# KiCad board processor.Z80.kicad_pcb (continued)
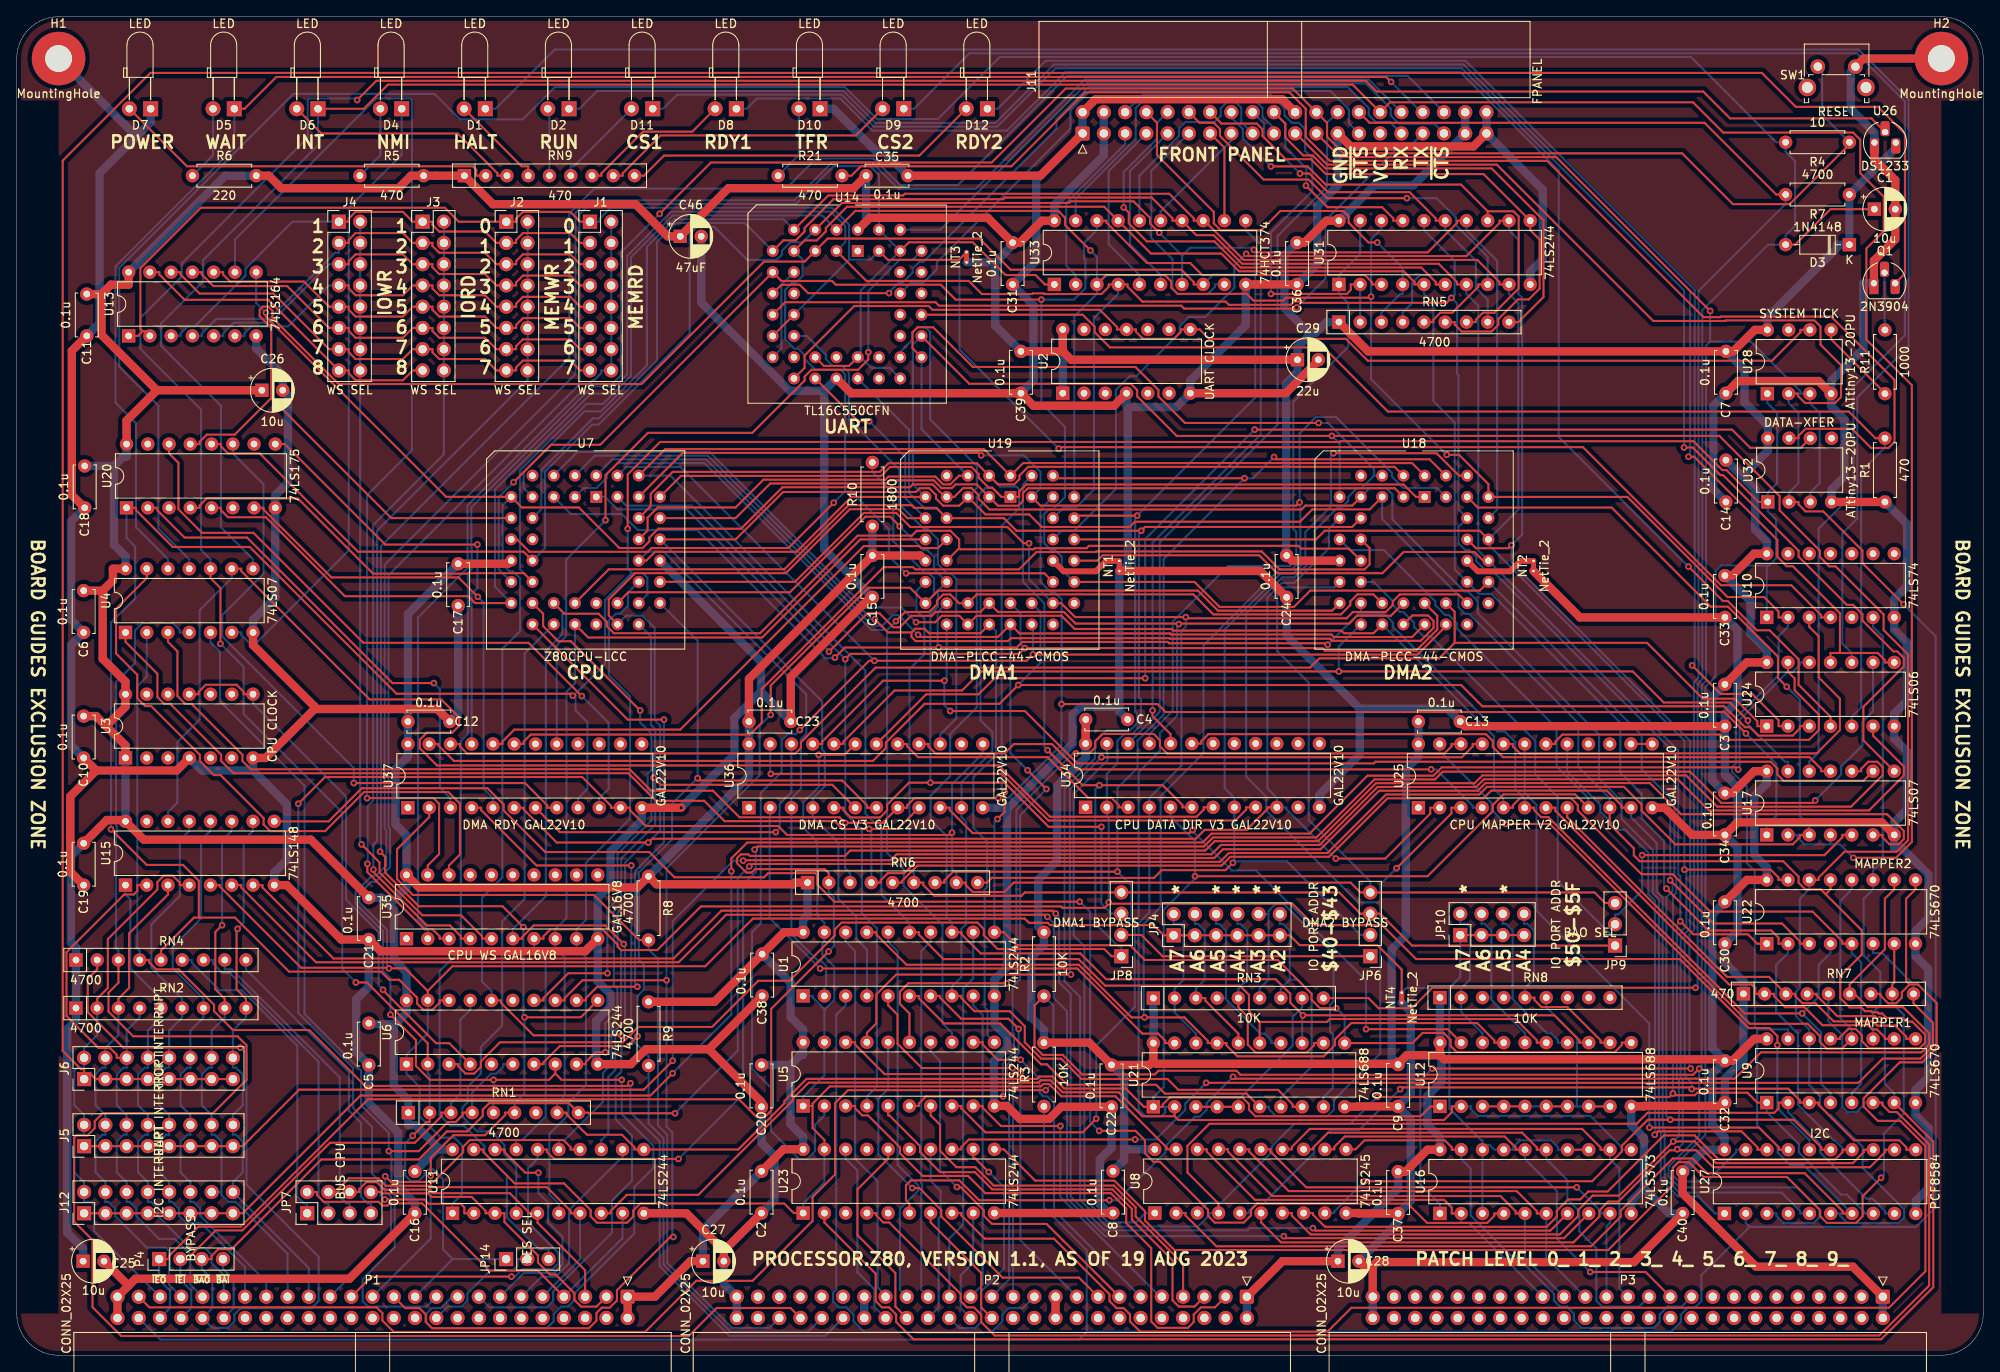
[diagram p0: board, top side]
## Routing (per net, layer and track width the routed paths; a pad name or vN(x,y) marks a point on that pad's centre or on a via; arc(x,y) is an arc through that point) (continued)
CPU-A5: length 242.3
  Top w0.25: U7.39 79.37,105.11 103.29,105.11 104.36,106.18 104.81,106.18 114.1,106.18 114.94,105.34 114.94,104.91 116.14,103.71 116.57,103.71 117.68,102.6 U19.1 119.79,102.6 119.79,103.25 120.63,104.09 165.73,104.09 167.21,102.6 U18.1 ; U1.13 112.88,50.57 112.88,50.35 115.2,48.03 127.1,48.03 130.18,44.95 150.44,44.95 152.19,43.2 152.19,42.16 v1(153.7,40.64) 183.74,40.64 186.73,37.65 186.73,37.37 U12.13
  Bottom w0.25: U21.13 153.6,40.54 v1(153.7,40.64) ; U1.13 111.75,51.7 111.13,52.32 111.13,62.08 109.2,64.01 109.2,66.88 111.54,69.22 111.54,74.25 114.72,77.42 114.72,102.61 115.75,103.64 116.67,103.64 117.71,102.6 U19.1
CPU-A6: length 253.8
  Top w0.25: 148.53,39.85 147.25,41.12 147.25,43.08 146.16,44.18 130.06,44.18 126.88,47.36 110.73,47.36 107.8,50.29 107.8,50.57 106.68,50.57 ; 148.53,39.85 156.57,39.85 156.91,40.19 179.11,40.19 181.65,37.65 181.65,37.37 182.78,37.37 ; 148.53,39.85 U21.15 ; U7.40 77.5,108.32 115.57,108.32 U19.44 120.26,106.65 166.74,106.65 U18.44
  Bottom w0.25: 106.68,50.57 106.68,51.7 103.33,55.04 103.33,62.81 101.42,64.72 101.42,81.83 78.1,105.15 U7.40
CPU-A7: length 274.1
  Top w0.25: U19.43 122.33,101.56 152.92,101.56 v1(153.3,101.95) ; v1(115.25,107.57) 114.96,107.87 79.59,107.87 U7.41 ; U1.17 102.72,50.57 102.72,50.29 106.33,46.68 126.92,46.68 133.21,40.39 v1(134.78,40.39) 139.54,40.39 142.32,37.6 142.32,37.32 U21.17 144.57,37.32 144.57,37.04 145.87,35.73 156.18,35.73 157.53,37.08 157.53,37.76 159.47,39.71 174.52,39.71 176.57,37.65 176.57,37.37 U12.17
  Bottom w0.25: U19.43 122.34,103.65 122.34,105.57 120.35,107.57 v1(115.25,107.57) ; v1(134.78,40.39) 134.67,40.49 134.67,51.56 136.69,53.58 136.69,66.84 141.82,71.97 141.82,84.87 150.84,93.89 152.31,93.89 153.4,94.98 153.4,101.85 v1(153.3,101.95) 153.3,110.2 155.27,112.17 157.64,112.17 164.33,105.47 164.33,105.04 165.7,103.67 169.72,103.67 U18.43
CPU-A8: length 191.6
  Top w0.25: v1(93.58,74.74) 101.85,83.01 v1(102.49,83.01) 120.68,83.01 v1(121.43,83.77) 121.45,83.76 167.39,83.76 170.79,87.15 U18.26
  Bottom w0.25: v1(121.43,83.77) 121.43,87.22 U19.26 ; v1(93.58,74.74) 93.09,74.26 92.13,74.26 91.4,73.52 91.4,69.7 88.91,67.21 88.91,51.64 87.87,50.6 87.87,34.23 90.13,31.97 90.13,26.83 93.49,23.46 94.45,23.46 95.39,24.4 95.39,27.55 96.51,28.67 U5.2 ; v1(102.49,83.01) 79.31,106.19 72.83,106.19 U7.42
CPU-A9: length 173
  Top w0.25: v1(99,83.2) 99.64,83.84 119.77,83.84 v1(120.46,84.53) 156.03,84.53 156.35,84.21 167.21,84.21 169.75,86.75 169.75,88.4 U18.25
  Bottom w0.25: U5.4 101.59,30.93 102.78,32.11 102.78,51.05 100.99,52.84 100.99,62.78 99,64.77 v1(99,83.2) 80.65,101.56 72.84,101.56 U7.43 ; U19.25 119.95,88.7 119.95,85.04 v1(120.46,84.53)
CPU-A10: length 183.8
  Top w0.25: v1(107.71,86.12) 107.97,85.86 117.25,85.86 U19.24 119.83,86.28 137.82,86.28 137.94,86.16 157.09,86.16 157.39,85.85 166.74,85.85 U18.24 ; 106.68,29.8 107.8,29.8 107.8,30.08 108.67,30.95 v1(117.87,30.95) ; v1(123.04,67.69) v1(120.79,69.93)
  Bottom w0.25: v1(117.87,30.95) 117.84,30.98 117.84,34.87 119.16,36.2 119.16,38.4 119,38.56 119,44.06 119.91,44.97 119.91,64.56 v1(123.04,67.69) ; v1(107.71,86.12) 105.79,88.04 105.79,88.05 105.36,88.48 104.7,88.48 103.44,87.21 102.26,87.21 82.38,107.09 71.19,107.09 U7.44 ; v1(120.79,69.93) 118.75,71.98 U19.24
CPU-A11: length 192.6
  Top w0.25: U5.8 112.88,29.8 112.88,29.52 115.75,26.65 127.37,26.65 v1(129,28.28) ; 138.87,87.46 v1(138.87,87.4) ; 138.87,87.46 126.53,87.46 125.15,88.85 117.26,88.85 U19.23 115.17,88.86 109.81,88.86 109.35,88.4 106.89,88.4 105.52,87.03 104.76,87.03 103.09,88.7 101.66,88.7 v1(97.07,84.11) ; 138.87,87.46 159.23,87.46 160.16,88.4 164.21,88.4 U18.23
  Bottom w0.25: v1(97.07,84.11) 80.07,101.11 71.79,101.11 70.29,102.61 U7.1 ; v1(129,28.28) 129,37.02 133.61,41.62 133.61,52.02 134.07,52.49 134.07,69.72 136.62,72.26 136.62,74.39 138.67,76.44 138.67,87.2 v1(138.87,87.4)
CPU-A12: length 182
  Top w0.25: v1(102.54,87.98) 104.12,86.4 106.92,86.4 ; U18.22 166.78,88.43 168.65,88.43 169.3,87.77 169.3,86.94 167.76,85.4 157.21,85.4 156.95,85.66 137.81,85.66 137.75,85.72 118.81,85.72 118.45,85.37 107.42,85.37 106.92,85.87 106.92,86.4 ; 106.92,86.4 107.37,86.85 108.48,86.85 109.01,86.31 115.16,86.31 U19.22
  Bottom w0.25: U19.22 117.03,86.54 117.03,71.78 114.31,69.05 114.31,63.05 115.96,61.4 115.96,55.94 115.66,55.64 115.66,41.59 116.01,41.24 116.01,38.25 116.84,37.42 ; U7.2 69.1,107.54 82.6,107.54 102.16,87.98 v1(102.54,87.98)
CPU-A13: length 164.7
  Top w0.25: U18.21 162.12,90.95 160.21,90.95 159.36,90.1 159.36,89.67 158.24,88.55 143,88.55 140.6,90.95 114.72,90.95 U19.21 112.6,89.9 111.56,90.94 110.7,90.94 109.97,90.21 109.97,89.77 109.05,88.85 106.16,88.85 v1(105.06,87.75)
  Bottom w0.25: 104.01,86.7 102.13,86.7 82.2,106.64 71.79,106.64 70.52,105.36 70.52,104.9 69.28,103.66 67.76,103.66 U7.3 ; 104.01,86.7 104.01,60.06 106,58.07 106,56.09 110.63,51.47 110.63,39.67 111.75,38.55 U5.13 ; 104.01,86.7 v1(105.06,87.75)
CPU-A14: length 209
  Top w0.25: U25.5 178.79,65.45 178.79,65.73 179.65,66.6 185.73,66.6 186.55,65.77 186.55,65.12 194.16,57.5 197.89,57.5 202.36,53.03 214.61,53.03 218.16,49.48 218.16,49.2 U22.5 ; U18.20 162.11,86.3 158.61,86.3 158.28,86.62 138.19,86.62 138,86.81 126.42,86.81 124.84,88.4 114.71,88.4 U19.20 112.63,88.4 110.54,88.4 109.77,87.62 v1(107.46,87.62)
  Bottom w0.25: U9.5 219.28,31.33 220.41,32.45 220.41,46.95 219.28,48.07 U22.5 ; U7.4 67.01,107.99 82.78,107.99 101.39,89.38 105.71,89.38 v1(107.46,87.62) ; U25.5 177.66,66.58 176.53,67.7 176.53,74 U18.20
CPU-A15: length 212.7
  Top w0.25: v1(97.77,83.4) 98.98,84.6 v1(110.17,84.6) 119.51,84.6 120.17,85.27 137.56,85.27 137.72,85.11 156.47,85.11 v1(156.65,84.93) ; v1(213.36,40.86) 206.49,40.86 183.03,64.32 182.17,64.32 181.33,65.17 181.33,65.45 U25.6
  Bottom w0.25: v1(110.17,84.6) 110.04,84.73 110.04,88.81 U19.19 ; U25.6 180.2,66.58 179.07,67.7 179.07,73.3 177.8,74.58 176.95,74.58 164.44,87.09 164.44,87.61 163.42,88.63 160.63,88.63 ; U9.4 216.75,31.33 215.62,32.45 215.62,38.6 v1(213.36,40.86) 215.33,42.84 215.33,46.66 216.75,48.07 U22.4 ; 160.63,88.63 160.35,88.63 v1(156.65,84.93) ; 160.63,88.63 U18.19 ; v1(97.77,83.4) 97.7,83.32 96.65,83.32 81.33,98.64 74.21,98.64 72.3,100.55 66.23,100.55 U7.5
CPU-D0: length 477.3
  Top w0.25: v1(128.3,132.07) 125.27,135.1 125.27,135.98 124.46,136.79 100.21,136.79 U14.2 ; U7.16 60.59,93.49 53.99,93.49 53.94,93.43 42.58,93.43 33.59,102.43 22.71,102.43 21.87,101.58 21.87,101.3 U20.4 ; v1(170.88,107.63) 172.36,107.63 175.87,104.12 U18.39 192.47,102.6 204.44,90.63 208.81,90.63 210.54,88.9 210.54,88.2 U10.2 ; U33.3 130.21,129.13 137.19,129.13 137.97,128.35 137.97,127.61 138.71,126.87 147,126.87 147.81,126.07 151.33,126.07 151.68,126.42 161.72,126.42 v1(161.84,126.54) ; U27.7 218.19,16.95 218.19,17.23 213.66,21.76 202,21.76 200.23,23.53 197.91,23.53 191.66,17.28 191.66,16.55 188.14,13.03 143.35,13.03 139.67,16.72 139.67,17 U8.2
  Bottom w0.25: v1(170.88,107.63) 161.84,116.68 v1(161.84,126.54) 161.84,133.4 162.94,134.49 163.08,134.49 U31.18 ; v1(128.3,132.07) 129.08,131.29 U33.3 129.08,126.87 126.37,124.16 U19.39 ; 207.98,38.95 211.66,38.95 U9.15 ; 207.98,38.95 207.98,27.45 210.43,25 210.43,24.24 211.91,22.75 213.51,22.75 U27.7 ; 207.98,38.95 207.69,39.23 207.69,57.89 206.75,58.83 206.75,67.95 204.99,69.71 204.99,70.31 205.44,70.76 205.44,76.21 210.54,81.31 210.54,85.95 211.66,87.07 U10.2 ; U7.16 60.13,93.95 60.13,105.77 68.09,113.73 70.06,113.73 73.4,117.08 73.4,131.25 78.4,136.25 96.25,136.25 U14.2
CPU-D1: length 446.6
  Top w0.25: U7.17 54.78,89.91 53.96,90.74 39.21,90.74 29.77,100.17 25.25,100.17 24.41,101.02 24.41,101.3 U20.5 ; U14.3 101.54,128.42 113.76,128.42 115.33,126.85 121.33,126.85 121.41,126.93 122.71,126.93 122.8,126.85 129.63,126.85 130.49,127.72 130.49,128 U33.4 132.75,128 132.75,127.72 134.52,125.95 144.46,125.95 144.85,125.56 152.24,125.56 152.65,125.97 153.25,125.97 153.42,125.8 170.85,125.8 v1(171.45,126.4) ; v1(162.59,30.89) 197.51,30.89 v1(197.91,31.29) 198.12,31.09 200.54,31.09 200.84,31.39 206.81,31.39 208,30.2 U9.1
  Bottom w0.25: v1(162.59,30.89) 159.36,27.66 152.68,27.66 149.97,24.95 149.97,24.27 143.93,18.23 142.31,18.23 U8.3 ; U19.38 125.1,101.33 126.57,101.33 128.73,103.49 128.73,123.98 131.62,126.87 U33.4 ; v1(197.91,31.29) 197.91,54.89 198.31,55.29 198.31,57.08 198.1,57.3 198.1,72.01 176.4,93.71 175.63,93.71 174.43,94.91 174.43,95.39 173.56,96.25 173.09,96.25 172.29,97.04 172.29,99.02 U18.38 172.29,101.1 172.29,117.17 172.11,117.35 172.11,125.73 v1(171.45,126.4) 171.83,126.78 171.83,130.83 168.16,134.49 U31.16 ; U9.1 209.12,29.07 212.97,25.23 212.97,24.24 218,19.21 218.7,19.21 220.73,17.17 220.73,16.95 U27.8 ; U14.3 99.01,133.05 99.01,134.96 97.27,136.7 78.22,136.7 72.95,131.43 72.95,117.26 70.62,114.93 68.61,114.93 57.15,103.47 57.15,91.85 U7.17
CPU-D2: length 491.4
  Top w0.25: U14.4 98.62,137.74 125.73,137.74 125.93,137.94 133.45,137.94 135.43,135.95 135.43,135.28 v1(136.52,134.19) ; U31.14 172.11,135.62 172.11,135.34 168.61,131.84 148.15,131.84 v1(147.84,132.14) ; U20.12 24.41,108.92 24.41,108.64 25.25,107.79 29.04,107.79 40.78,96.06 60.56,96.06 U7.14 ; U8.4 143.62,18.13 139.9,21.85 139.9,25.04 142.53,27.67 193.57,27.67 194.87,28.98 210.02,28.98 210.54,29.5 210.54,30.2 U9.2 ; U19.37 126.67,100.36 v1(133.89,100.36)
  Bottom w0.25: U18.37 176.91,101.1 176.91,130.83 173.24,134.49 U31.14 ; U27.9 223.27,16.95 223.27,17.22 221.77,18.71 221.03,18.71 215.5,24.24 215.5,25.23 211.66,29.07 U9.2 ; 139.27,131.44 139.27,129.16 139.24,129.13 U33.7 ; 139.27,131.44 v1(136.52,134.19) ; 139.27,131.44 140.22,132.39 147.6,132.39 v1(147.84,132.14) 148,131.99 148,114.47 v1(133.89,100.36) 133.65,100.12 133.65,76.9 133.88,76.67 133.88,75.53 133.04,74.7 130.25,74.7 128.85,73.3 128.85,71.35 125.21,67.71 125.21,44.68 127.08,42.81 127.08,18.56 130.25,15.39 141.17,15.39 142.49,16.72 142.49,17 U8.4 ; U14.4 93.92,133.04 92.44,133.04 91.44,132.04 91.44,131.58 90.8,130.94 87.29,130.94 83.34,134.89 81.32,134.89 80.42,133.99 80.42,122.14 69.53,111.24 68.77,111.24 63.13,105.61 63.13,96.49 U7.14
CPU-D3: length 480.2
  Top w0.25: 30.42,114.41 26.05,110.05 22.71,110.05 21.87,109.2 21.87,108.92 U20.13 ; 30.42,114.41 30.42,122.82 29.03,124.21 29.03,124.97 29.41,125.35 30.07,125.35 30.56,124.86 30.56,124 38.47,116.09 74.66,116.09 89.3,130.73 94.15,130.73 U14.5 96.91,133.49 115.04,133.49 118.76,129.76 139.17,129.76 140.65,128.28 140.65,128 U33.8 ; 30.42,114.41 44.76,100.07 U7.9 ; v1(178.63,96.83) 178.27,96.47 174.38,96.47 U18.36 ; U31.12 177.19,135.62 177.19,135.34 173.24,131.39 147.19,131.39 v1(146.91,131.66) ; 200.17,31.86 v1(200.17,31.81) ; 200.17,31.86 211.7,31.86 213.08,30.48 213.08,30.2 U9.3 215.33,30.2 215.33,29.92 219.55,25.7 224.97,25.7 225.81,24.85 225.81,24.57 U27.11 ; 200.17,31.86 200.01,32.02 165.52,32.02 v1(165.32,31.81)
  Bottom w0.25: U8.5 147.29,17 147.29,17.28 148.13,18.13 148.95,18.13 155.05,24.22 155.05,24.95 157.05,26.95 160.46,26.95 v1(165.32,31.81) ; v1(200.17,31.81) 200.17,32.56 199.31,33.41 199.31,50.37 199.97,51.02 199.97,57.71 200.01,57.75 200.01,58.35 199.98,58.38 199.98,73.42 178.63,94.77 v1(178.63,96.83) 179.9,98.1 179.9,126.43 179.45,126.88 179.45,133.37 178.32,134.49 U31.12 ; 145.5,129.17 145.5,127.59 142.03,124.12 140.08,124.12 138.97,123.01 138.97,122.21 133.82,117.06 133.03,117.06 131.35,115.38 131.35,103.55 126.37,98.56 124.87,98.56 U19.36 ; 145.5,129.17 145.5,130.24 v1(146.91,131.66) ; 145.5,129.17 142.95,129.17 U33.8
CPU-D4: length 413.1
  Top w0.25: U8.6 148.7,15.87 151.08,13.5 186.03,13.5 189.12,16.59 189.12,17.31 190.19,18.37 191.4,18.37 197.53,24.5 198.43,24.5 ; U19.35 155.27,97.52 156.31,98.56 174.83,98.56 U18.35 ; 198.43,24.5 v1(198.43,24.63) ; 198.43,24.5 200.7,24.5 202.72,22.48 221.46,22.48 223.27,24.29 223.27,24.57 U27.12 ; U31.9 177.19,128 177.19,128.28 174.54,130.93 146.61,130.93 141.93,135.62 U33.13 140.65,135.62 140.65,135.9 137.72,138.84 106.13,138.84 105.92,138.64 96.98,138.64 U14.6 ; v1(199.28,58.05) 209.59,58.05 210.54,57.1 210.54,56.82 U22.15
  Bottom w0.25: U14.6 91.62,135.8 78.59,135.8 75.3,132.5 75.3,118.33 69.8,112.83 67.83,112.83 60.58,105.58 60.58,103.66 U7.8 ; U31.9 178.32,126.87 179.45,125.75 179.45,101.1 U18.35 175.87,96.89 199.28,73.48 v1(199.28,58.05) 199.52,57.81 199.52,51.32 198.83,50.63 198.83,33.25 199.09,33 199.09,25.29 v1(198.43,24.63)
CPU-D5: length 402.1
  Top w0.25: U27.13 220.73,24.57 220.73,24.29 219.41,22.97 203.09,22.97 200.5,25.56 v1(197.94,25.56) 191.47,19.09 188.32,19.09 186.59,17.35 186.59,16.63 184.4,14.45 154.62,14.45 152.37,16.7 152.37,17 U8.7 ; U14.7 91.61,133.27 93.09,133.27 94.15,134.33 94.15,134.75 97.59,138.19 117.89,138.19 118.09,138.39 135.63,138.39 138.11,135.9 138.11,135.62 U33.14 140.97,133.89 143.02,133.89 146.44,130.48 169.92,130.48 172.11,128.28 172.11,128 U31.7 ; U22.1 208,49.2 206.87,50.33 200.35,50.33 v1(198.8,51.88) ; U18.33 175.23,94.98 174.19,96.02 165.73,96.02 163.2,93.48 150.61,93.48 148.47,95.63 129.78,95.63 129.13,94.98 U19.33
  Bottom w0.25: v1(197.94,25.56) 198.64,26.25 198.64,32.81 198.38,33.07 198.38,51.46 v1(198.8,51.88) 198.8,57.23 198.55,57.48 198.55,72.3 U18.33 174.65,96.2 174.65,125.46 173.24,126.87 U31.7 ; U14.7 87,135.34 78.77,135.34 76.5,133.07 76.5,118.9 69.6,112 68.86,112 62.68,105.82 62.68,101.12 U7.10
CPU-D6: length 397.3
  Top w0.25: U19.32 122.79,93.48 v1(106.27,93.48) ; U31.5 167.03,128 167.03,128.28 165.74,129.58 146.06,129.58 143.94,131.69 135.55,131.69 U33.17 129.95,137.29 99.22,137.29 96.69,134.76 96.69,134.34 95.62,133.27 94.15,133.27 U14.8 ; U8.8 154.91,17 154.91,16.79 156.34,15.35 182.83,15.35 184.04,16.57 184.04,17.28 185.4,18.63 186.84,18.63 187.79,19.57 190.12,19.57 196.83,26.29 200.5,26.29 203.37,23.42 217.32,23.42 218.19,24.29 218.19,24.57 U27.14 ; v1(197.14,55.78) 202.14,50.78 209.67,50.78 210.54,49.9 210.54,49.2 U22.2 ; U7.11 59.78,97.53 61.27,96.04 75.42,96.04 75.87,96.49 92.21,96.49 v1(97.63,101.91)
  Bottom w0.25: U27.14 218.19,24.57 218.19,24.76 217.25,25.7 217.12,25.7 212.85,29.96 212.85,38.44 210.25,41.04 210.25,46.66 211.66,48.07 U22.2 ; v1(97.63,101.91) 98.98,103.27 99,103.27 ; 99,103.27 99.68,103.27 104.22,98.73 104.22,95.53 v1(106.27,93.48) ; 99,103.27 99,117.23 98.42,117.81 95.43,117.81 94.15,119.09 94.15,119.56 93.37,120.34 92.9,120.34 91.83,121.41 91.83,127.35 92.67,128.19 93.09,128.19 93.92,129.02 93.92,130.96 U14.8 ; v1(197.14,55.78) 196.86,56.05 196.86,61.49 194.17,64.18 194.17,67.12 191.63,69.66 191.63,75.61 176.23,91.01 174.76,91.01 U18.32 171.84,93.93 171.84,111.49 169.29,114.05 169.29,125.75 168.16,126.87 U31.5
CPU-D7: length 391.1
  Top w0.25: v1(122.44,126.18) 112.2,126.18 110.41,127.97 97.88,127.97 97.43,128.41 91.39,128.41 U14.9 69.71,108.83 63.85,108.83 v1(59.37,104.36) ; 216.78,24.57 215.65,24.57 215.65,24.85 212.35,28.16 v1(197.6,28.16) 194.92,28.16 191.81,25.04 191.81,24.35 188.26,20.8 v1(161.06,20.8) ; U22.3 213.08,49.2 213.08,49.48 210.95,51.61 202.75,51.61 v1(197.59,56.78) ; U18.31 174.83,91.4 154.57,91.4 152.62,89.46 143.73,89.46 140.75,92.44 U19.31 ; U33.18 130.21,135.62 130.21,135.42 135.06,130.56 140.23,130.56 141.67,129.13 161.11,129.13 161.95,128.28 161.95,128 U31.3
  Bottom w0.25: U8.9 157.45,17 157.45,17.19 v1(161.06,20.8) ; U19.31 124.87,93.94 124.87,95.46 124.08,96.25 123.6,96.25 122.79,97.06 122.79,100.55 123.33,101.1 123.79,101.1 125.26,102.57 125.26,110.97 122.44,113.8 v1(122.44,126.18) 126.34,126.18 127.7,127.55 127.7,130.93 127.55,131.08 127.55,132.96 129.08,134.49 U33.18 ; v1(197.6,28.16) 197.13,28.63 197.13,54.75 197.86,55.48 197.86,56.5 v1(197.59,56.78) 197.59,66.63 194.17,70.05 194.17,74.14 U18.31 ; U7.15 57.6,93.94 57.6,102.59 v1(59.37,104.36)
D0: length 49.8
  Top w0.25: 172.62,16.95 171.49,16.95 171.49,17.65 170.57,18.58 147.97,18.58 142.21,24.34 142.21,24.62 U8.18
  Bottom w0.25: 172.62,16.95 172.62,15.82 173.54,15.82 P3.33
D1: length 52
  Top w0.25: 180.24,16.95 179.11,16.95 179.11,17.23 177.31,19.03 150.06,19.03 144.75,24.34 144.75,24.62 U8.17
  Bottom w0.25: 180.24,16.95 180.24,11.66 P3.31
D2: length 52
  Top w0.25: U8.16 147.29,24.62 147.29,24.34 152,19.62 179.26,19.62 181.65,17.23 181.65,16.95 182.78,16.95
  Bottom w0.25: 182.78,16.95 182.78,11.66 P3.29
D3: length 55.3
  Top w0.25: U8.15 149.83,24.62 149.83,24.34 154.09,20.07 v1(186.43,20.07)
  Bottom w0.25: v1(186.43,20.07) 189.27,17.23 189.27,16.95 190.4,16.95 190.4,15.82 189.98,15.41 P3.27
D4: length 60
  Top w0.25: U8.14 152.37,24.62 152.37,24.9 154.52,27.05 187.07,27.05 189.27,24.85 189.27,24.57 190.4,24.57
  Bottom w0.25: 190.4,24.57 190.4,23.44 191.52,22.32 191.52,8 P3.25
D5: length 58.5
  Top w0.25: U8.13 154.91,24.62 154.91,24.81 156.7,26.6 179.9,26.6 181.65,24.85 181.65,24.57 182.78,24.57
  Bottom w0.25: P3.23 193.88,5.82 189.45,5.82 188.77,6.51 188.77,12.77 186.73,14.8 186.73,17.23 185.31,18.64 185.31,20.91 182.78,23.44 182.78,24.57
D6: length 54.2
  Top w0.25: 180.24,24.57 179.11,24.57 179.11,24.85 177.81,26.15 158.69,26.15 157.45,24.9 157.45,24.62 U8.12 ; P3.21 194.65,9.95 v1(188.03,9.95)
  Bottom w0.25: 180.24,24.57 180.24,23.44 184.04,19.63 184.04,13.93 v1(188.03,9.95)
D7: length 58.1
  Top w0.25: U8.11 159.99,24.62 161.06,25.7 170.65,25.7 171.49,24.85 171.49,24.57 172.62,24.57
  Bottom w0.25: 172.62,24.57 172.62,23.44 173.74,22.32 173.74,16.73 178.63,11.84 179.19,11.84 183.72,7.31 183.72,6.51 184.41,5.82 185.24,5.82 186.08,4.99 186.08,4.16 186.97,3.26 195.61,3.26 196.33,3.98 196.33,4.88 197.27,5.82 198.96,5.82 P3.19
DATA-DIR: length 66.7
  Bottom w0.25: U34.23 130.26,71.99 130.35,71.91 130.35,71.13 126.3,67.08 126.3,50.17 127.59,48.88 127.59,18.71 130.42,15.87 133.75,15.87 134.87,17 U8.1
DATA-XFER: length 138.3
  Top w0.25: v1(147.93,110.65) 204.98,110.65 207.15,108.48 213.19,108.48 U32.6 ; v1(134.85,80.93) 116.85,80.93 114.93,79.01 108.68,79.01 U36.18
  Bottom w0.25: v1(147.93,110.65) 134.85,97.56 v1(134.85,80.93)
DMA-RDY1: length 184.5
  Top w0.25: U24.3 213.08,75.2 213.08,74.92 212.24,74.07 208.11,74.07 207.1,75.08 206.52,75.08 204.02,77.58 175.14,77.58 172.6,80.12 v1(119.68,80.12) 117.43,77.87 108.49,77.87 103.87,73.25 103.87,72.59 102.32,71.04 52.24,71.04 50.42,72.87 50.42,73.07 U37.23
  Bottom w0.25: v1(119.68,80.12) 122.34,82.78 122.34,88.85 U19.27
DMA-RDY2: length 173.4
  Top w0.25: U18.27 171.83,88.86 171.83,85.16 ; 171.83,85.16 194.83,85.16 201.5,78.48 205.3,78.48 208,75.78 208,75.2 U24.1 ; 171.83,85.16 169.98,83.31 155.68,83.31 154.56,82.19 102.63,82.19 93.71,73.26 93.71,72.6 93.05,71.94 53.8,71.94 52.96,72.79 52.96,73.07 U37.22
FP-LATCH-WR: length 69.5
  Top w0.25: U34.20 137.88,74.25 135.73,76.4 v1(135.73,77.07)
  Bottom w0.25: v1(135.73,77.07) 135.73,97.13 148.66,110.06 148.66,132.69 146.86,134.49 U33.11
I2C-SCL: length 447.1
  Top w0.25: J11.23 158.14,143.22 183.97,143.22 v1(202.36,124.83) ; R2.1 121.62,41.81 121.62,36.9 122.61,35.9 124.99,35.9 127.32,33.57 136,33.57 136.44,34.01 145.76,34.01 146.24,33.53 200.31,33.53 v1(201.05,34.27) ; P1.47 15.85,5.73 43.01,5.73 43.7,5.04 43.7,4.15 45.07,2.78 75.08,2.78 81.2,8.9 87.94,8.9 95.1,16.06 95.1,18.91 97.78,21.6 97.78,30.14 99.33,31.69 v1(122.97,31.69)
  Bottom w0.25: 202.36,121.18 207.21,121.18 213.15,115.23 213.15,114.95 U28.3 214.28,113.82 215.46,112.65 215.46,104.25 214.33,103.13 U32.3 ; 202.36,121.18 201.87,120.68 201.87,80.63 201.34,80.1 201.34,58.92 201.36,58.91 201.36,57.19 201.34,57.17 201.34,34.55 v1(201.05,34.27) 201.05,26.23 197.39,22.57 197.39,21.38 198.71,20.06 212.75,20.06 215.41,17.4 215.41,16.47 214.76,15.82 211.12,15.82 210.28,16.67 210.28,16.95 U27.3 ; 202.36,121.18 v1(202.36,124.83) ; R2.1 123.88,41.81 123.88,32.6 v1(122.97,31.69)
I2C-SDA: length 451.9
  Top w0.25: v1(225.48,89.77) 220.56,94.7 220.56,96.19 215.87,100.87 213.76,100.87 212.92,101.72 212.92,102 U32.2 ; U28.2 212.87,114.95 212.87,114.67 213.71,113.82 217.29,113.82 218,114.54 218,118.34 215.55,120.8 215.55,122.97 214.82,123.71 204.27,123.71 204.2,123.64 195.56,123.64 176.88,142.32 156.59,142.32 152.86,146.05 J11.21
  Bottom w0.25: 127.87,2.81 126.93,1.87 17.17,1.87 P1.48 ; 127.87,2.81 127.87,12.55 122.75,17.67 R3.1 ; 127.87,2.81 197.69,2.81 198.87,3.99 198.87,4.87 199.73,5.73 200.57,5.73 201.32,6.47 201.32,9.58 207.09,15.35 ; v1(225.48,89.77) 229.31,85.94 229.31,17.7 226.96,15.35 207.09,15.35 ; U28.2 211.74,113.82 212.92,112.65 212.92,104.25 211.79,103.13 U32.2 ; 207.09,15.35 206.62,15.82 206.62,16.95
IM2-S0: length 190.5
  Top w0.25: U15.9 37.27,63.82 41.23,67.78 56.25,67.78 58.18,65.85 58.18,65.13 63.15,60.15 75.59,60.15 78.61,57.13 89.3,57.13 89.79,57.63 95.46,57.63 95.63,57.46 95.63,56.3 97.71,54.21 v1(127.03,54.21) ; U16.4 176.57,16.95 176.57,16.67 175.73,15.82 168.53,15.82 166.23,18.13 148.23,18.13 147.5,17.4 147.5,16.73 146.63,15.86 143.16,15.86 142.35,16.68 142.35,17.4 136.62,23.13 135.84,23.13 134.82,24.15 134.82,25.7 133.69,26.83 v1(129.35,26.83)
  Bottom w0.25: v1(129.35,26.83) 128.27,27.91 128.27,52.97 v1(127.03,54.21)
IM2-S1: length 198.9
  Top w0.25: U15.7 29.36,56.2 29.36,55.92 37.85,47.43 78.5,47.43 84.21,53.15 123.83,53.15 v1(124.17,52.8) ; v1(154.9,15.2) 155.19,14.9 183.26,14.9 U16.7
  Bottom w0.25: v1(154.9,15.2) 147.34,15.2 147.09,14.94 129.98,14.94 125.94,18.98 125.94,43.2 124.56,44.58 124.56,52.41 v1(124.17,52.8)
IM2-S2: length 204.1
  Top w0.25: U16.8 184.9,14 151.65,14 v1(151.41,14.24) ; 25.7,56.2 26.82,56.2 26.82,55.92 35.76,46.98 79.1,46.98 84.77,52.66 122.92,52.66 v1(123.17,52.41)
  Bottom w0.25: v1(123.17,52.41) 123.93,51.65 123.93,42.71 125.49,41.14 125.49,18.79 130.05,14.24 v1(151.41,14.24)
INT: length 157.7
  Top w0.25: R1.2 222.12,109.62 218.94,112.8 163.86,112.8 156.18,120.47 130.63,120.47 128.81,122.3 128.81,122.95 127.38,124.38 U14.33
  Bottom w0.25: U24.5 219.28,76.33 220.41,77.45 220.41,105.66 223.25,108.49 R1.2
INT-I2C: length 43.6
  Top w0.25: U24.13 211.66,81.69 212.46,80.9 212.46,79.48 215.36,76.58 215.36,74.74 214.18,73.56 204.17,73.56 203.54,74.2 184.71,74.2 183.87,73.35 183.87,73.07 U25.18
IO-SEL: length 31
  Top w0.25: U34.3 131.68,65.5 131.68,65.78 130.84,66.63 128.05,66.63 123.18,71.49 107.7,71.49 106.41,72.79 106.41,73.07 U36.17
mA14: length 54
  Top w0.25: U9.10 223.24,37.82 223.24,38 222.29,38.95 221.75,38.95 221.24,39.45 215.79,39.45 213.63,41.61 211.31,41.61 210.01,42.92 210.01,43.2 RN7.2 207.75,43.2 207.75,43.9 207.33,44.33 204.62,44.33 183.87,65.08 183.87,65.45 U25.7
mA15: length 54.1
  Top w0.25: U25.8 185.28,64.32 204.38,45.22 209.4,45.22 RN7.3 212.55,43.2 212.55,42.92 213.39,42.07 214.96,42.07 217.13,39.9 221.82,39.9 222.32,39.4 224.48,39.4 225.78,38.1 225.78,37.82 U9.9
mA16: length 189.1
  Top w0.25: v1(222.62,40.13) 222.46,40.13 222.05,40.54 217.56,40.54 215.09,43.01 215.09,43.2 RN7.4 ; U9.7 229.02,25.54 229.02,8.13 222.8,1.91 107.16,1.91 105.09,3.98 105.09,4.88 104.24,5.73 103.39,5.73 102.64,6.47 102.64,9.75 96.51,15.87 U23.2
  Bottom w0.25: U9.7 224.37,31.33 223.24,32.45 223.24,39.51 v1(222.62,40.13)
mA17: length 181.2
  Top w0.25: U23.4 102.72,17 102.72,16.72 103.56,15.87 104.26,15.87 112.8,7.33 112.8,6.47 113.55,5.73 114.38,5.73 115.25,4.86 115.25,3.97 116.86,2.37 222.57,2.37 228.53,8.33 228.53,25.21 224.67,29.07 223.79,29.07 222.95,29.92 222.95,30.2 U9.6
  Bottom w0.25: U9.6 220.7,30.2 220.7,29.92 219.84,29.06 218.81,29.06 218.16,29.71 218.16,38.25 216.5,39.91 RN7.5
mA18: length 164.6
  Top w0.25: 106.68,17 106.68,18.13 106.26,18.54 106.26,20.31 106.85,20.9 112.64,20.9 115.01,18.53 v1(130.57,18.53) ; 219.04,43.76 219.04,44.33 223.24,48.53 223.24,54.57 224.37,55.69 U22.10 ; 219.04,43.76 RN7.6 ; 219.04,43.76 221.19,41.62 225.41,41.62 228.54,38.49 228.54,37.14 227.61,36.21 208.44,36.21 205.29,33.06 145.57,33.06 v1(145.34,33.29)
  Bottom w0.25: v1(130.57,18.53) 131.54,18.53 137.27,24.26 137.27,24.99 140.8,28.52 141.39,28.52 142.19,29.32 142.19,30.14 v1(145.34,33.29)
mA19: length 192
  Top w0.25: 226.19,44.33 225.27,43.41 225.27,42.75 224.59,42.07 223.65,42.07 222.71,43.01 222.71,43.2 RN7.7 ; 226.19,44.33 227.2,44.33 229.44,42.09 229.44,36.76 227.69,35.02 225.01,35.02 220.7,30.7 220.7,29.72 222.4,28.02 225.09,28.02 228.08,25.02 228.08,10.03 223.72,5.68 159.49,5.68 156.64,2.83 134.25,2.83 133.03,4.05 133.03,4.89 132.29,5.64 131.42,5.64 130.58,6.47 130.58,7.3 123.95,13.94 115.66,13.94 112.88,16.72 112.88,17 U23.8 ; 226.19,44.33 225.78,44.74 225.78,54.57 226.9,55.69 U22.9
mA20: length 154
  Top w0.25: U22.7 224.37,44.57 224.12,44.33 RN7.8 ; 116.84,24.62 117.96,24.62 121.71,20.87 131.16,20.87 134.83,17.21 134.83,16.11 138.35,12.58 190.17,12.58 197.9,20.31 197.9,22.4 198.58,23.08 199.82,23.08 201.58,21.31 211.54,21.31 215.5,17.35 215.5,16.62 216.3,15.82 219.79,15.82 220.59,16.62 220.59,19.01 v1(222.79,21.22)
  Bottom w0.25: v1(222.79,21.22) 223.12,21.55 223.12,26.49 225.5,28.87 225.5,40.7 224.12,42.07 RN7.8
mA21: length 138.8
  Top w0.25: U23.13 112.88,24.62 112.88,24.9 113.77,25.79 v1(133.64,25.79) ; v1(142.14,32.56) 220.09,32.56 222.99,35.47 227.5,35.47 228.99,36.95 228.99,39.75 226.66,42.07 RN7.9
  Bottom w0.25: v1(133.64,25.79) 136.09,25.79 139.63,29.33 139.63,30.06 v1(142.14,32.56) ; RN7.9 226.66,44.33 222.91,48.07 221.82,48.07 U22.6